# Altium PCB GL3520 4 Ports(final).PcbDoc
Units mm, origin at the board's own origin, x right, y up, seen from the top; angles counter-clockwise.
Board outline 60 x 60 mm, 2 copper layers (Top Layer, Bottom Layer), stack 1.569 mm thick; 95 components, 85 nets, 418 pads, 185 vias.
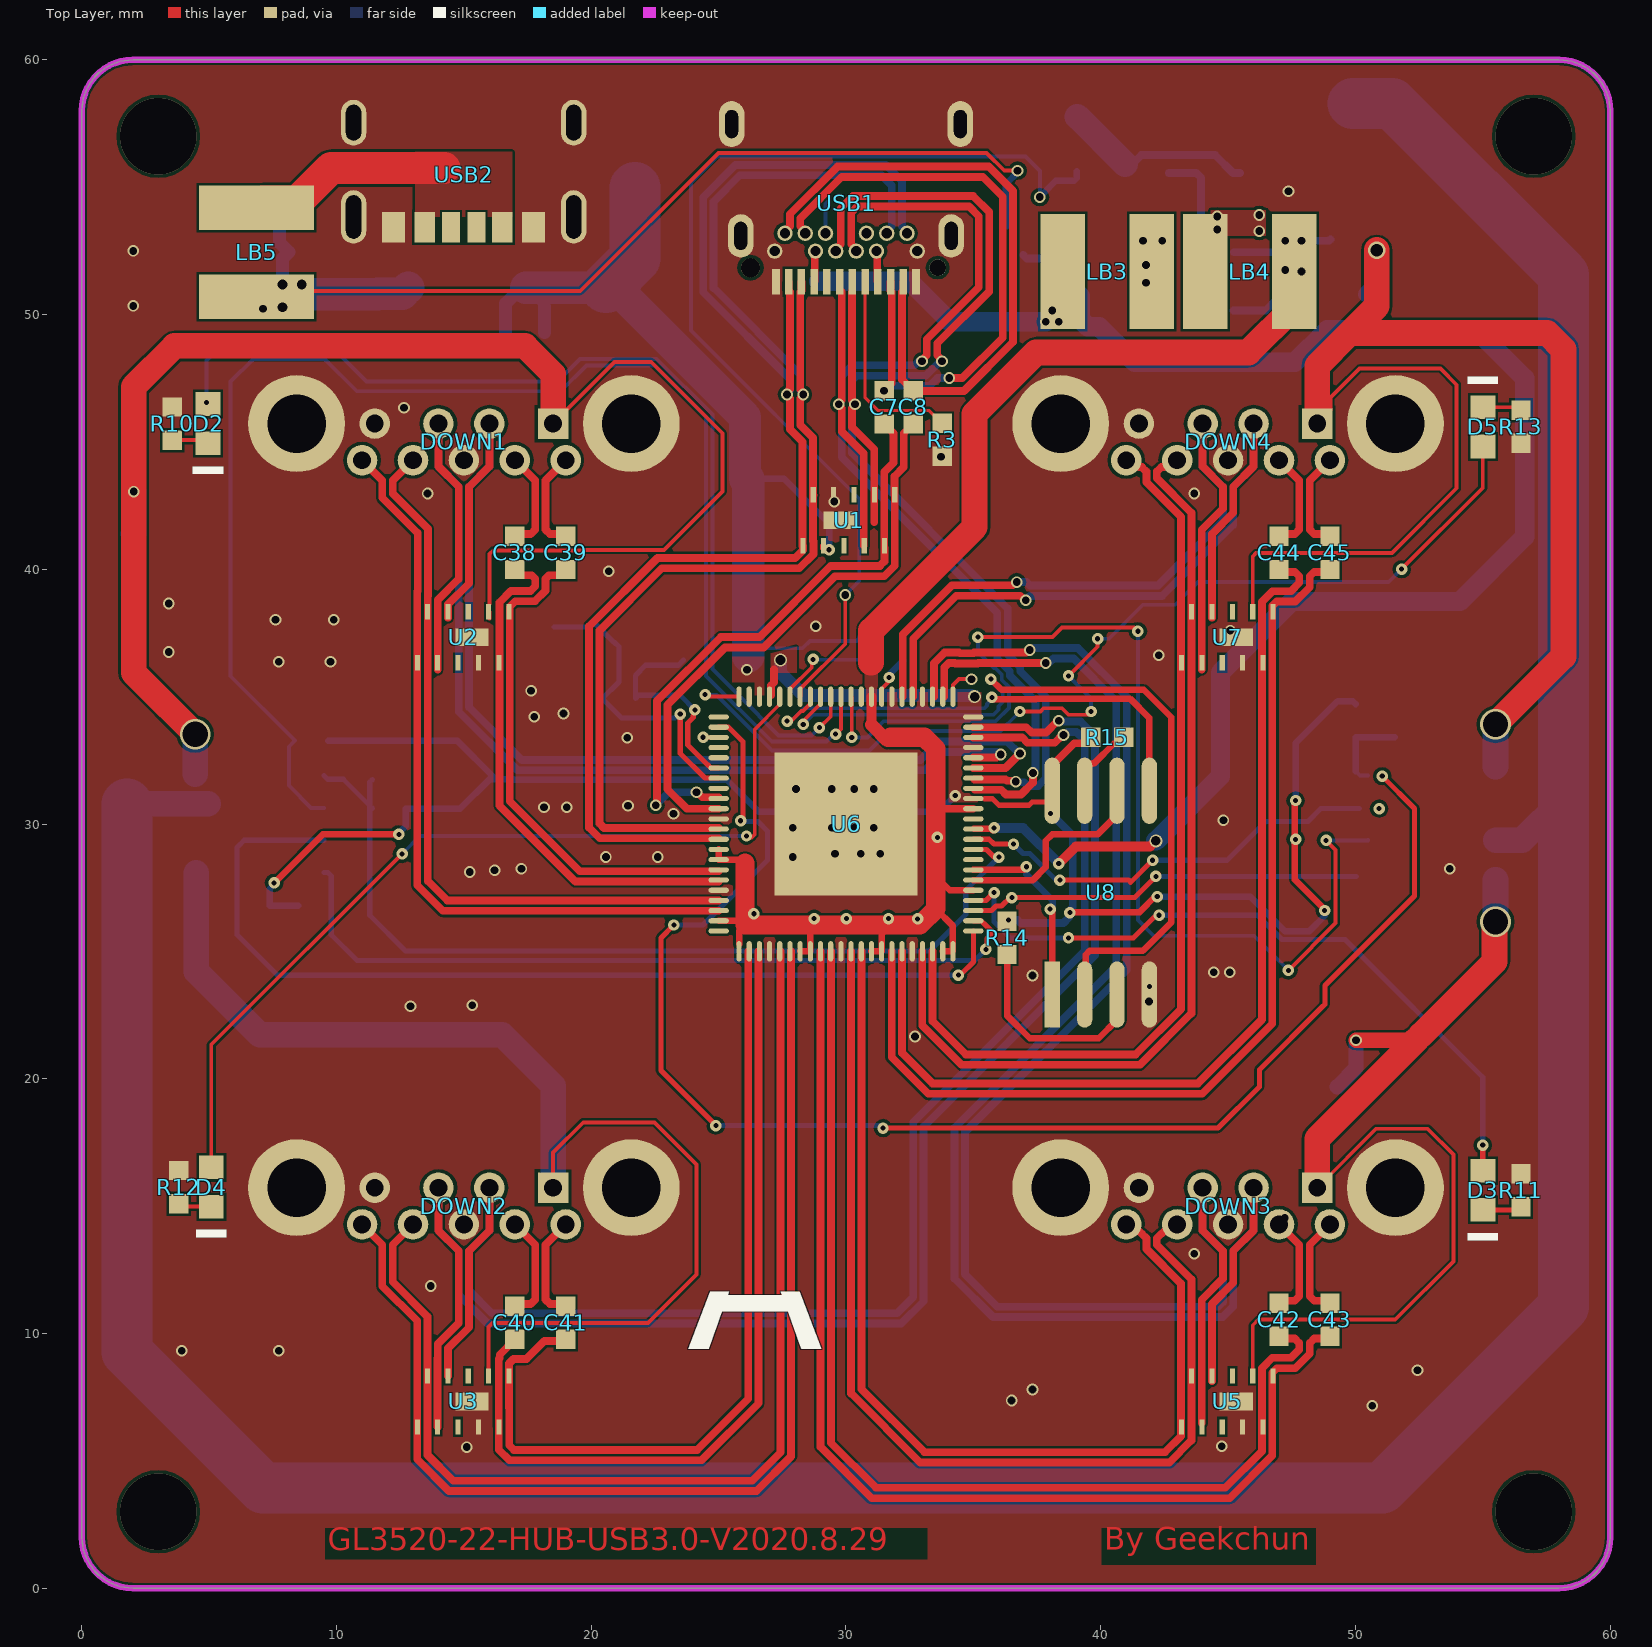
[diagram p0: Top Layer view]
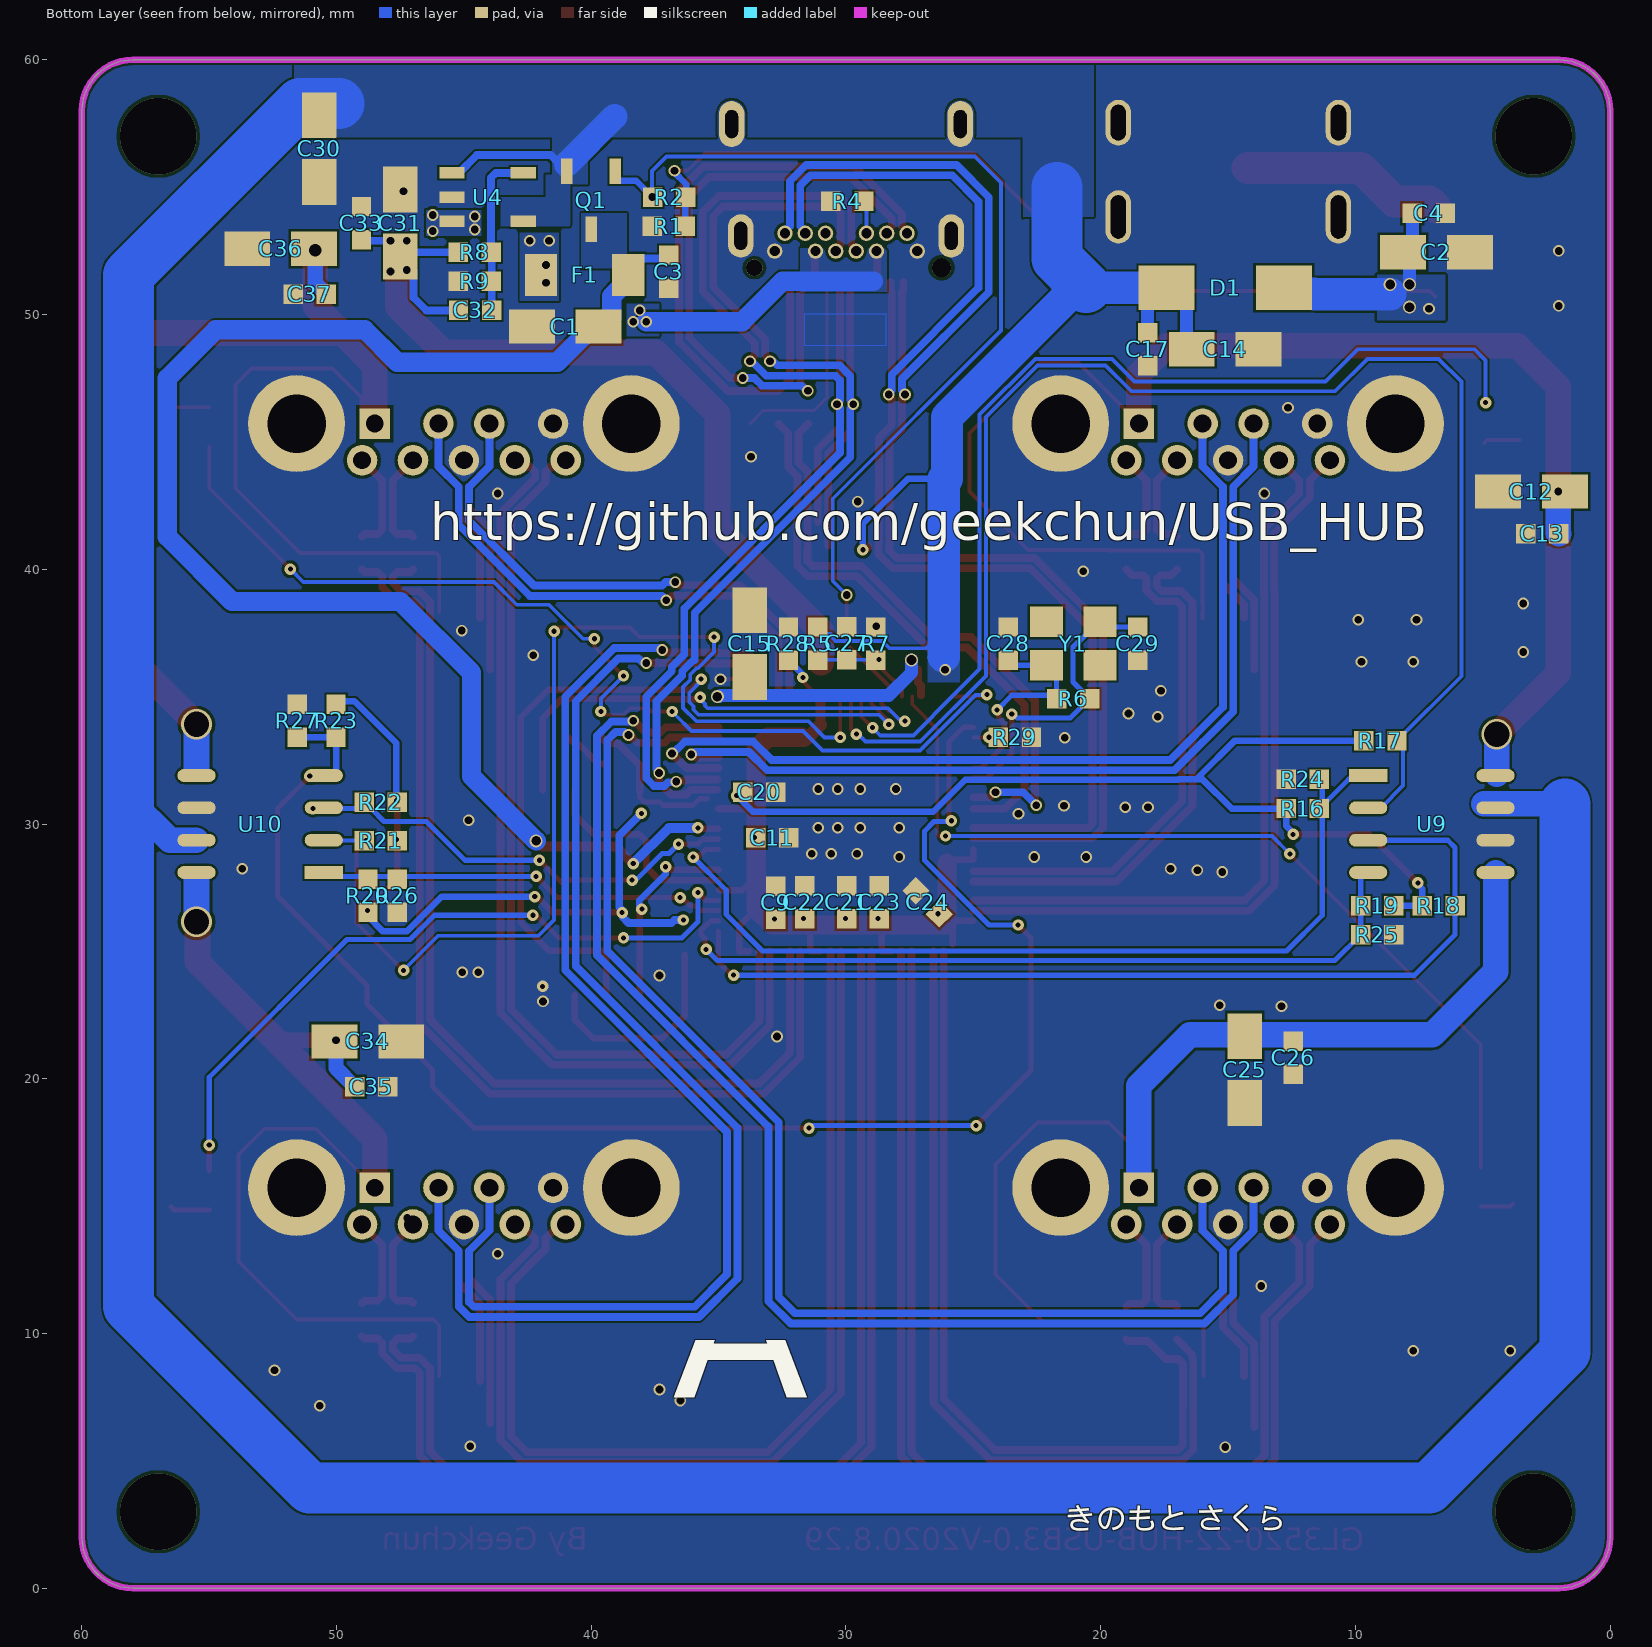
[diagram p1: Bottom Layer view, seen from below]
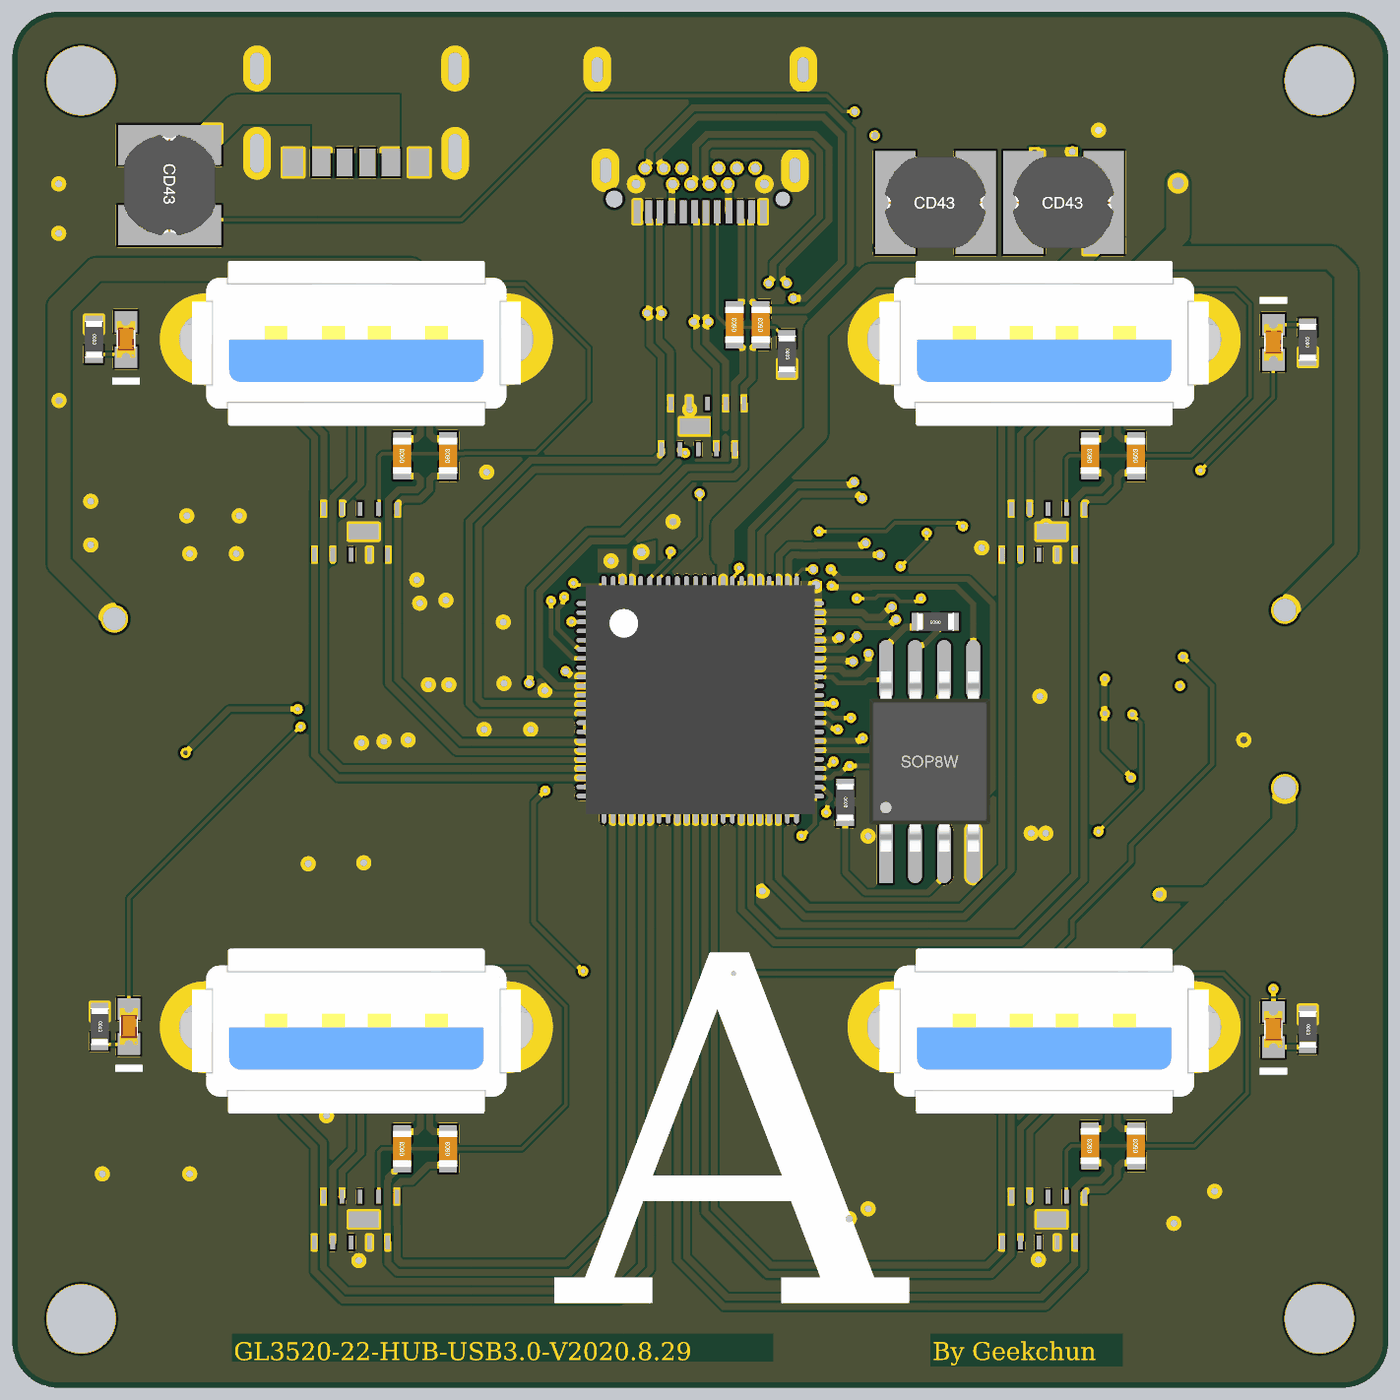
[diagram p2: 3D render of the assembled board from above, using the file's embedded part models]
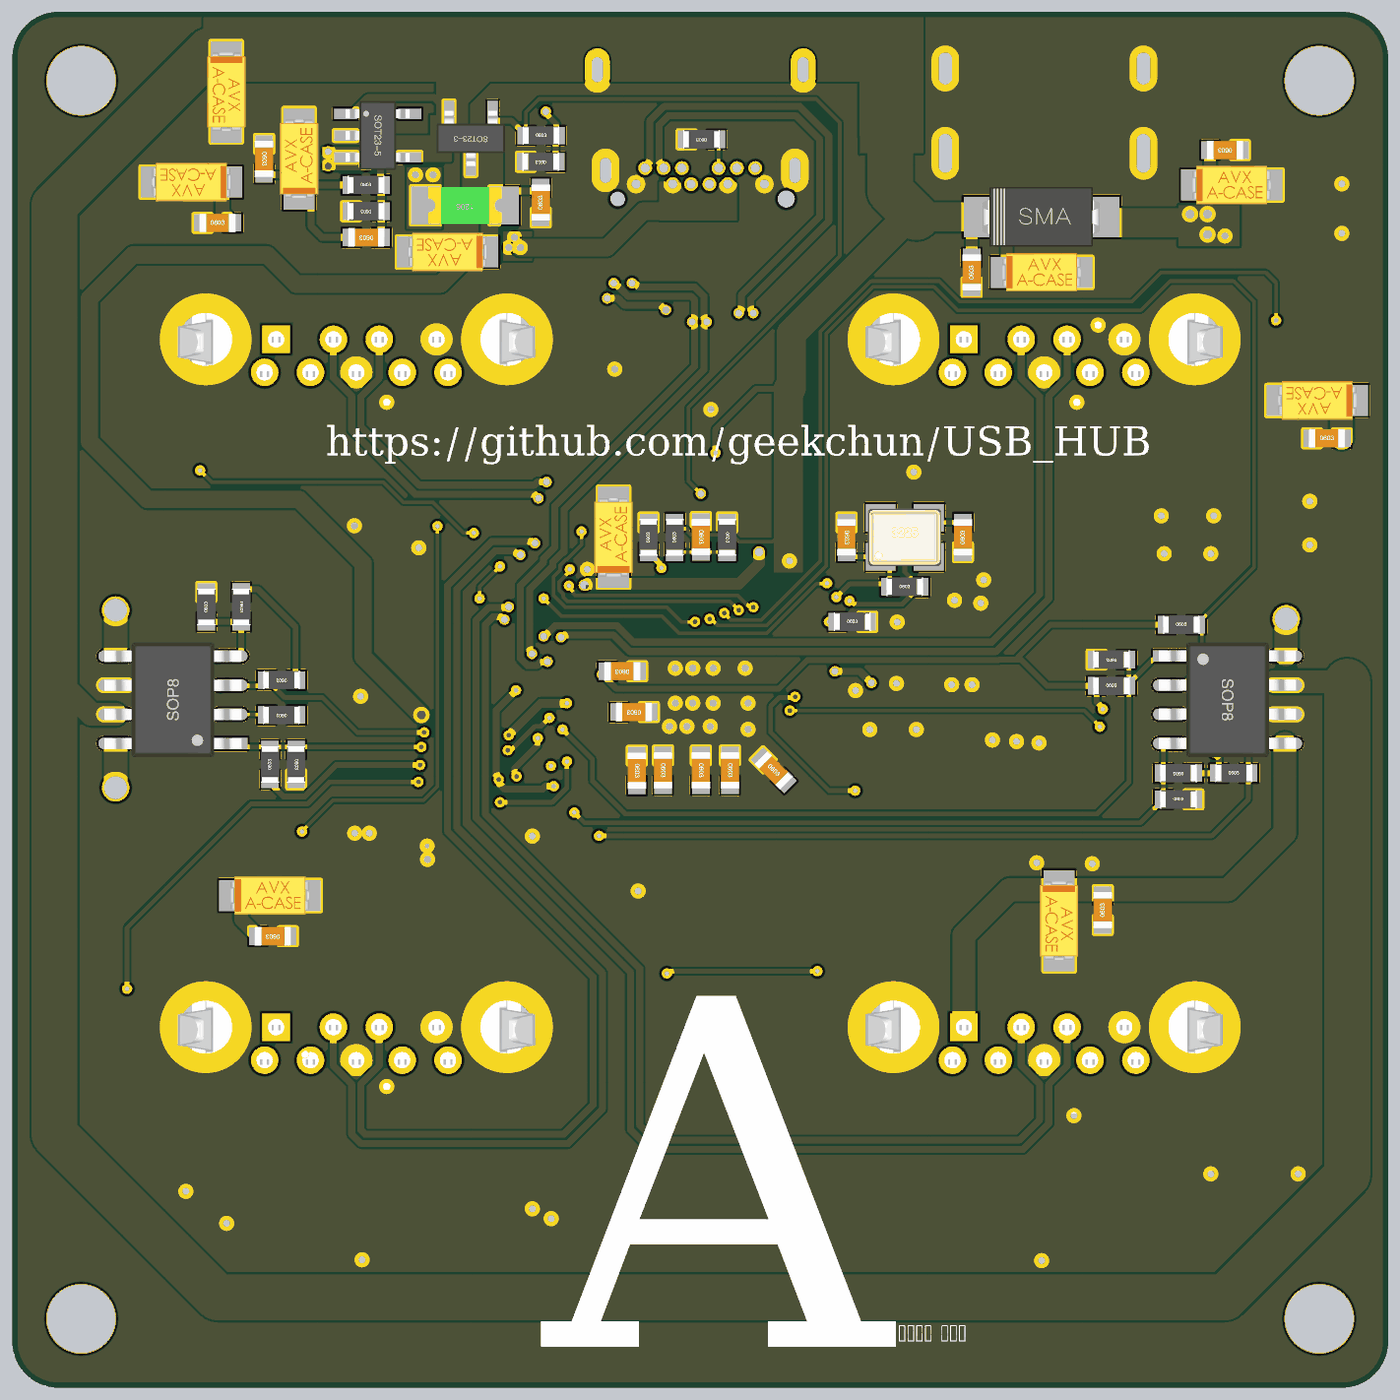
[diagram p3: 3D render of the assembled board from below, using the file's embedded part models]

## Layer stack, top to bottom
Top Solder: solder mask 0.0254, SM-001, Dk 4
Top Layer: signal copper 0.035
Dielectric 1: core 1.4986, Core-043, Dk 4.3
Bottom Layer: signal copper 0.035
Bottom Solder: solder mask 0.0254, SM-001, Dk 4

## Board outline
0,2 0,58 cw(c2,58) 2,60 58,60 cw(c58,58) 60,58 60,2 cw(c58,2) 58,0 2,0 cw(c2,2)

## Design rules (kind name [scope] priority, off if disabled: settings)
Clearance [All] p1: gap=0.089 ignorepadtopadclearanceinfootprint=TRUE except(0.127: Arc-THPad Arc-Via Track-THPad Track-Via SMDPad-THPad SMDPad-Via THPad-THPad THPad-Via THPad-Fill THPad-Poly THPad-Region THPad-Text THPad-Hole Via-Via Via-Fill Via-Poly Via-Region Via-Text Via-Hole)
DiffPairsRouting [All] p1: maxlimit=0.102 minlimit=0.102 mostfreqgap=0.102 toplayer_minwidth=0.152 toplayer_maxwidth=0.381 toplayer_prefwidth=0.305 bottomlayer_minwidth=0.152 bottomlayer_maxwidth=0.381 bottomlayer_prefwidth=0.305 maxuncoupledlength=12.7
PolygonConnect [All] p1: connectstyle=Direct reliefconductorwidth=0.254 reliefentries=4 polygonreliefangle="90 Angle" airgapwidth=0.254
RoutingVias [All] p1: holewidth=0.2 width=0.45 viastyle="Through Hole" minholewidth=0.2 minwidth=0.45 maxholewidth=0.711 maxwidth=1.27
SolderMaskExpansion [All] p1: expansion=0.102
Width [All] p1: maxlimit=3 minlimit=0.089 preferedwidth=0.152 minimp=50.000000 maximp=50.000000 favimp=50.000000
29 further rules are at their usual default settings.

## Classes and differential pairs
differential pair NewDifferentialPair20: +NetC45_2 -NetC44_2
differential pair NewDifferentialPair19: +NetC43_2 -NetC42_2
differential pair NewDifferentialPair18: +NetC41_2 -NetC40_2
differential pair NewDifferentialPair17: +NetC39_2 -NetC38_2
differential pair NewDifferentialPair16: +UP_RXP -UP_RXN
differential pair NewDifferentialPair15: +UP_TXP -UP_TXN
differential pair NewDifferentialPair14: +TX+ -TX-
differential pair NewDifferentialPair13: +UP_DP -UP_DN
differential pair NewDifferentialPair12: +DP4_TXP -DP4_TXN
differential pair NewDifferentialPair11: +DP4_RXP -DP4_RXN
differential pair NewDifferentialPair10: +DP4_DP -DP4_DN
differential pair NewDifferentialPair9: +DP3_TXP -DP3_TXN
differential pair NewDifferentialPair8: +DP3_RXP -DP3_RXN
differential pair NewDifferentialPair6: +DP2_TXP -DP2_TXN
differential pair NewDifferentialPair5: +DP2_RXP -DP2_RXN
differential pair NewDifferentialPair4: +DP2_DP -DP2_DN
differential pair NewDifferentialPair3: +DP1_TXP -DP1_TXN
differential pair NewDifferentialPair2: +DP1_RXP -DP1_RXN
differential pair NewDifferentialPair1: +DP1_DP -DP1_DN

## Components (designator, comment, footprint, x,y, rotation, side; value= is the part's Value field where it differs from the comment)
C1 "10uF" CASE-A_3216 41.021,49.53 r180 bottom
C2 "10uF" CASE-A_3216 6.818,52.451 r0 bottom
C3 "0.1uF" "C 0603_L" 36.957,51.689 r90 bottom
C4 "0.1uF" "C 0603_L" 7.112,53.975 r0 bottom
C7 "0.1uF" "C 0603_L" 31.496,46.355 r90 top
C8 "0.1uF" "C 0603_L" 32.639,46.355 r90 top
C9 "0.1uF" "C 0603_L" 32.766,26.909 r270 bottom
C11 "0.1uF" "C 0603_L" 32.893,29.464 r0 bottom
C12 "10uF" CASE-A_3216 3.088,43.053 r180 bottom
C13 "0.1uF" "C 0603_L" 2.667,41.402 r180 bottom
C14 "10uF" CASE-A_3216 15.113,48.641 r0 bottom
C15 "10uF" CASE-A_3216 33.782,37.084 r270 bottom
C17 "0.1uF" "C 0603_L" 18.161,48.641 r90 bottom
C20 "0.1uF" "C 0603_L" 33.401,31.242 r0 bottom
C21 "0.1uF" "C 0603_L" 29.972,26.924 r270 bottom
C22 "0.1uF" "C 0603_L" 31.623,26.924 r270 bottom
C23 "0.1uF" "C 0603_L" 28.702,26.924 r270 bottom
C24 "0.1uF" "C 0603_L" 26.797,26.924 r225 bottom
C25 "10uF" CASE-A_3216 14.351,20.36 r90 bottom
C26 "0.1uF" "C 0603_L" 12.446,20.828 r90 bottom
C27 "1uF" "C 0603_L" 29.972,37.099 r270 bottom
C28 "12pF" "C 0603_L" 23.622,37.084 r270 bottom
C29 "12pF" "C 0603_L" 18.542,37.084 r90 bottom
C30 "10uF" CASE-A_3216 50.673,56.515 r90 bottom
C31 "10uF" CASE-A_3216 47.498,53.594 r270 bottom
C32 "20pF" "C 0603_L" 44.562,50.165 r0 bottom
C33 "0.1uF" "C 0603_L" 49.022,53.594 r270 bottom
C34 "10uF" CASE-A_3216 48.768,21.463 r0 bottom
C35 "0.1uF" "C 0603_L" 48.641,19.685 r0 bottom
C36 "10uF" CASE-A_3216 52.197,52.578 r180 bottom
C37 "0.1uF" "C 0603_L" 51.054,50.8 r180 bottom
C38 "0.1uF" "C 0603_L" 17,40.64 r90 top
C39 "0.1uF" "C 0603_L" 19,40.64 r90 top
C40 "0.1uF" "C 0603_L" 17,10.414 r90 top
C41 "0.1uF" "C 0603_L" 19,10.414 r90 top
C42 "0.1uF" "C 0603_L" 47,10.541 r90 top
C43 "0.1uF" "C 0603_L" 49,10.541 r90 top
C44 "0.1uF" "C 0603_L" 47,40.64 r90 top
C45 "0.1uF" "C 0603_L" 49,40.64 r90 top
D1 "1N5822" SMA 15.113,51.054 r0 bottom
D2 "蓝灯 0603" 0603_LED_S1 4.953,45.72 r90 top
D3 "蓝灯 0603" 0603_LED_S1 55,15.621 r90 top
D4 "蓝灯 0603" 0603_LED_S1 5.08,15.748 r90 top
D5 "蓝灯 0603" 0603_LED_S1 55,45.593 r270 top
DOWN1 "USB3-A Device" "USB3.0-1 - duplicate" 15,45 r180 top
DOWN2 "USB3-A Device" "USB3.0-1 - duplicate" 15,15 r180 top
DOWN3 "USB3-A Device" "USB3.0-1 - duplicate" 45,15 r180 top
DOWN4 "USB3-A Device" "USB3.0-1 - duplicate" 45,45 r180 top
F1 "Fuse" "FU 1206" 40.259,51.562 r0 bottom
LB3 "10uH" CD43 40.259,51.689 r0 top
LB4 "10uH" CD43 45.847,51.689 r0 top
LB5 "10uH" CD43 6.858,52.451 r270 top
Q1 "AO3401A" SOT23-3L 40.005,54.483 r0 bottom
R1 "10K" "R 0603_L" 36.957,53.467 r0 bottom
R2 "10K" "R 0603_L" 36.942,54.61 r180 bottom
R3 "10K" "R 0603_L" 33.782,45.085 r270 top
R4 "10K" "R 0603_L" 29.945,54.444 r0 bottom
R5 "10K" "R 0603_L" 31.115,37.084 r90 bottom
R6 "1M" "R 0603_L" 21.082,34.925 r180 bottom
R7 "47K" "R 0603_L" 28.829,37.084 r270 bottom
R8 "100K" "R 0603_L" 44.577,52.451 r180 bottom
R9 "100K" "R 0603_L" 44.577,51.308 r0 bottom
R10 "2K" "R 0603_L" 3.556,45.72 r270 top
R11 "2K" "R 0603_L" 56.5,15.621 r270 top
R12 "2K" "R 0603_L" 3.81,15.748 r270 top
R13 "2K" "R 0603_L" 56.5,45.593 r90 top
R14 "10K" "R 0603_L" 36.322,25.527 r270 top
R15 "10K" "R 0603_L" 40.259,33.401 r180 top
R16 "100K" "R 0603_L" 12.065,30.607 r180 bottom
R17 "10K" "R 0603_L" 9.017,33.274 r180 bottom
R18 "10K" "R 0603_L" 6.731,26.797 r180 bottom
R19 "100K" "R 0603_L" 9.144,26.797 r0 bottom
R20 "100K" "R 0603_L" 48.768,27.178 r90 bottom
R21 "10K" "R 0603_L" 48.26,29.337 r0 bottom
R22 "10K" "R 0603_L" 48.26,30.861 r0 bottom
R23 "100K" "R 0603_L" 50.021,34.049 r270 bottom
R24 "100K" "R 0603_L" 12.065,31.75 r0 bottom
R25 "100K" "R 0603_L" 9.144,25.654 r180 bottom
R26 "100K" "R 0603_L" 47.625,27.178 r270 bottom
R27 "100K" "R 0603_L" 51.546,34.049 r90 bottom
R28 "100K" "R 0603_L" 32.258,37.084 r90 bottom
R29 "680R" "R 0603_L" 23.368,33.401 r180 bottom
U1 "AZ1065-06F" DFN4120P10E 32.085,41.256 r180 top
U2 "AZ1065-06F" DFN4120P10E 13,38 r0 top
U3 "AZ1065-06F" DFN4120P10E 13,8 r0 top
U4 "AUR9713" SOT23-5L 44.069,54.61 r270 bottom
U5 "AZ1065-06F" DFN4120P10E 43,8 r0 top
U6 "GL3520_QFN88_V094-1_22" QFN88 30,30 r0 top
U7 "AZ1065-06F" DFN4120P10E 43,38 r0 top
U8 "PM25LD512" SOP8W_M 40.005,27.305 r90 top
U9 "AIC1519N-0" SOP8_L 7,30 r180 bottom
U10 "AIC1519N-0" SOP8_L 53,30 r0 bottom
USB1 "Type-C" USB-C-SMD_U262-241N-4BV60 30,54.38 r180 top
USB2 "TYPE-C-6P" TYPE-C-SMD_TYPE-C-31-M-16 14.988,55.484 r180 top
Y1 "25MHZ" "OSC 3225-4P" 21.082,37.084 r180 bottom

## Footprints (in the part's own frame and the unit in brackets; to place one, negate y for a bottom-side part, rotate by r counter-clockwise, add the part's x,y. Pads: shape width x height; smd on the part's side, far side on the other; paste and mask are expansions set on the pad)
0603_LED_S1 [mm]
  rect 0.93x0.98 smd: A(0.77,0) K(-0.77,0)
  silkscreen extent -1.98,-0.6 -1.67,0.6, body extent -0.8,-0.4 0.8,0.4, height 0.6
"C 0603_L" [mil] "无极性贴片电容"
  rect 30x30 smd: 1(-25.59,0) 2(25.59,0)
  body extent -31,-16 31,16, height 32
CASE-A_3216 [mm]
  rect 1.8x1.35 smd: 1(1.31,0) 2(-1.31,0)
  body extent -1.7,-0.84 1.7,0.84, height 1.71
CD43 [mm] "4.5*4*3.2mm（长宽高）"
  rect 1.75x4.5 smd: 1(-1.75,0) 2(1.75,0)
  body extent -2.21,-2 2.21,2, height 3.3
DFN4120P10E [mm]
  rect 0.2x0.6 smd: 1(3.77,0.33) 2(2.97,0.33) 3(2.17,0.33) 4(1.37,0.33) 5(0.57,0.33) 6(0.17,-1.67) 7(0.97,-1.67) 8(1.77,-1.67) 9(2.57,-1.67) 10(3.37,-1.67)
  rect 1.3x0.7 smd: 11(2.32,-0.67)
  body extent -0.07,-1.67 4.03,0.32, height 0.25
"FU 1206" [mil] "贴片保险丝"
  rect 50x65 smd: 1(-67.5,0) 2(67.5,0)
  body extent -63,-32 63,32, height 34
"OSC 3225-4P" [mm] "3.2*2.5*0.7mm(长宽高)"
  rect 1.3x1.2 smd: 1(-1.05,-0.85) 2(1.05,-0.85) 3(1.05,0.85) 4(-1.05,0.85)
  body extent -1.6,-1.25 1.6,1.25, height 0.7
QFN88 [mm] "PQFN, 88-Leads, Body 10.00x10.00mm, Pitch 0.40mm, Thermal Pad 5.60x5.60mm, IPC Medium Density"
  oval 0.8x0.2 smd: 1(-5,4.2) 2(-5,3.8) 3(-5,3.4) 4(-5,3) 5(-5,2.6) 6(-5,2.2) 7(-5,1.8) 8(-5,1.4) 9(-5,1) 10(-5,0.6) 11(-5,0.2) 12(-5,-0.2) 13(-5,-0.6) 14(-5,-1) 15(-5,-1.4) 16(-5,-1.8) 17(-5,-2.2) 18(-5,-2.6) 19(-5,-3) 20(-5,-3.4) 21(-5,-3.8) 22(-5,-4.2) 45(5,-4.2) 46(5,-3.8) 47(5,-3.4) 48(5,-3) 49(5,-2.6) 50(5,-2.2) 51(5,-1.8) 52(5,-1.4) 53(5,-1) 54(5,-0.6) 55(5,-0.2) 56(5,0.2) 57(5,0.6) 58(5,1) 59(5,1.4) 60(5,1.8) 61(5,2.2) 62(5,2.6) 63(5,3) 64(5,3.4) 65(5,3.8) 66(5,4.2)
  oval 0.2x0.8 smd: 23(-4.2,-5) 24(-3.8,-5) 25(-3.4,-5) 26(-3,-5) 27(-2.6,-5) 28(-2.2,-5) 29(-1.8,-5) 30(-1.4,-5) 31(-1,-5) 32(-0.6,-5) 33(-0.2,-5) 34(0.2,-5) 35(0.6,-5) 36(1,-5) 37(1.4,-5) 38(1.8,-5) 39(2.2,-5) 40(2.6,-5) 41(3,-5) 42(3.4,-5) 43(3.8,-5) 44(4.2,-5) 67(4.2,5) 68(3.8,5) 69(3.4,5) 70(3,5) 71(2.6,5) 72(2.2,5) 73(1.8,5) 74(1.4,5) 75(1,5) 76(0.6,5) 77(0.2,5) 78(-0.2,5) 79(-0.6,5) 80(-1,5) 81(-1.4,5) 82(-1.8,5) 83(-2.2,5) 84(-2.6,5) 85(-3,5) 86(-3.4,5) 87(-3.8,5) 88(-4.2,5)
  rect 5.6x5.6 smd: G1(0,0)
  body extent -5,-5 5,5, height 1
"R 0603_L" [mil] "1/10W贴片电阻"
  rect 30x30 smd: 1(-25.59,0) 2(25.59,0)
  body extent -31,-16 31,16, height 16
SMA [mm] "4.5x2.6*2.2mm（长宽高，不包括引脚）"
  rect 2.2x1.75 smd: 1(-2.3,0) 2(2.3,0)
  body extent -2.52,-1.3 2.57,1.3, height 2.15
SOP8_L [mm] "5*6*1.8mm（长宽高）"
  rect 1.5x0.5 smd: 1(-2.5,1.905)
  oval 1.5x0.5 smd: 2(-2.5,0.635) 3(-2.5,-0.635) 4(-2.5,-1.905) 5(2.5,-1.905) 6(2.5,-0.635) 7(2.5,0.635) 8(2.5,1.905)
  body extent -3,-2.5 3,2.5, height 1.9
SOP8W_M [mm] "5.3*8.3*1.8mm（长宽高）"
  rect 2.6x0.6 smd: 1(-4,1.905)
  oval 2.6x0.6 smd: 2(-4,0.635) 3(-4,-0.635) 4(-4,-1.905) 5(4,-1.905) 6(4,-0.635) 7(4,0.635) 8(4,1.905)
  body extent -3.94,-2.64 3.94,2.64, height 1.9
SOT23-3L [mm] "3x1.3x1mm(长宽高)"
  rect 0.45x1 smd: 1(-0.95,-1.143) 2(0.95,-1.143) 3(0,1.125)
  body extent -1.5,-1.2 1.5,1.2, height 1.05
SOT23-5L [mm] "3x1.6x1.1mm(长宽高)"
  rect 0.45x1 smd: 1(-0.95,-1.4) 2(0,-1.4) 3(0.95,-1.4) 4(0.95,1.4) 5(-0.95,1.4)
  body extent -1.5,-1.4 1.5,1.4, height 1.15
TYPE-C-SMD_TYPE-C-31-M-16 [mm]
  oval 1x2.099 hole 0.6 slot 1.7 at 90 deg: 1(-4.32,1.65) 2(4.32,1.65)
  oval 1x1.799 hole 0.6 slot 1.4 at 90 deg: 3(-4.32,-2.05) 4(4.32,-2.05)
  rect 0.7x1.2 smd: A5(-0.5,2.05) B5(0.5,2.05)
  rect 0.8x1.2 smd: A9(1.52,2.05) B9(-1.52,2.05)
  rect 0.9x1.2 smd: A12(2.75,2.05) B12(-2.75,2.05)
"USB3.0-1 - duplicate" [mm] "Connector; USB1.1, Type A, Thru-Hole; 4 Position; Vertical"
  rect 1.2x1.2 hole 0.7: 1(-3.5,-0.72)
  round 1.2 hole 0.7: 2(-1,-0.72) 3(1,-0.72) 4(3.5,-0.72) 5(4,0.72) 6(2,0.72) 7(0,0.72) 8(-2,0.72) 9(-4,0.72)
  round 3.8 hole 2.3: G1(-6.57,-0.72) G2(6.57,-0.72)
  body extent -7.8,-4.15 7.8,3.05, height 15
USB-C-SMD_U262-241N-4BV60 [mm]
  oval 1x1.699 hole 0.5 slot 1.1 at 90 deg: 1(-4.13,1.29) 4(4.13,1.29)
  oval 1x1.799 hole 0.5 slot 1.1 at 90 deg: 2(-4.49,-3.1) 3(4.49,-3.1)
  rect 0.3x1 smd: A1(-2.75,3.1) A2(-2.25,3.1) A3(-1.75,3.1) A4(-1.25,3.1) A5(-0.75,3.1) A6(-0.25,3.1) A7(0.25,3.1) A8(0.75,3.1) A9(1.25,3.1) A10(1.75,3.1) A11(2.25,3.1) A12(2.75,3.1)
  round 0.6 hole 0.4: B1(2.8,1.89) B2(2.4,1.19) B3(1.6,1.19) B4(1.2,1.89) B5(0.8,1.19) B6(0.4,1.89) B7(-0.4,1.89) B8(-0.8,1.19) B9(-1.2,1.89) B10(-1.6,1.19) B11(-2.4,1.19) B12(-2.8,1.89)
  round 0.65 hole 0.65 unplated: ""(-3.6,2.54)
  round 0.75 hole 0.75 unplated: ""(3.75,2.54)

## Part data
C1 C2 C14 C15: library part "3216 10uF (106) 10% 16V", "钽电容1206", Package=3216, SuppliersPartNumber=C7171, ComponentLink1Description=供应, ComponentLink1URL=http://www.szlcsc.com/product/details_7643.html, Supplier=LC
C3 C4 C7 C8 C9 C11 C13 C17 C20 C21 C22 C23 C24 C26 C27 C28 C29 C32 C33 C35 C37 C38 C39 C40 C41 C42 C43 C44 C45: library part "0603 2.2uF (225) 10% 16V", "贴片电容", Package=0603, SuppliersPartNumber=C23630, ComponentLink1Description=供应, ComponentLink1URL=http://www.szlcsc.com/product/details_24366.html, Supplier=LC
C12 C25 C30 C31 C34 C36: library part "3216 10uF (106) 10% 16V", "钽电容", Package=3216, SuppliersPartNumber=C7171, ComponentLink1Description=供应, ComponentLink1URL=http://www.szlcsc.com/product/details_7643.html, Supplier=LC
D1: library part "Diode 1N5400", "3 Amp General Purpose Rectifier", ComponentLink1Description="Manufacturer Link", ComponentLink1URL=http://www.fairchildsemi.com/, ComponentLink2Description=Datasheet, ComponentLink2URL=http://www.fairchildsemi.com/ds/1N%2F1N5400.pdf, DatasheetVersion=1998, LatestRevisionDate=17-Jul-2002, LatestRevisionNote="Re-released for DXP Platform.", PackageDescription="Diode, Axial; Body 9.5 x 5.6 mm (LxDia. max), Lead Dia. 1.32 mm (max)", PackageReference=DO-201AD, PackageVersion=Aug-1999, Published=8-Jun-2000, Publisher="Altium Limited"
D2 D3 D4 D5: library part "0603 蓝灯", "发光二极管", Package=0603, SuppliersPartNumber=C72041, ComponentLink1Description=供应, ComponentLink1URL=http://www.szlcsc.com/product/details_73150.html, Supplier=LC
DOWN1 DOWN2 DOWN3 DOWN4: library part USB3-A_5, PCB Footprint=CND-USB3A-A
F1: Manufacturer="TE Connectivity", PartNumber=NANOSMDC020F-2, Supplier Part Number 1=NANOSMDC020F-2CT-ND, ComponentLink1Description="Datasheet URL", ComponentLink1URL=http://www.te.com/commerce/DocumentDelivery/DDEController?Action=srchrtrv&DocNm=SCD25536&DocType=Customer+Drawing&DocLang=English, CompType=Fuse, LatestRevisionDate=2015-11-23, MountType=SMT, PackageReference=1206, Published=2009-03-05, Publisher="Texas Instruments", ROHS=Y, Rtyp_Ohm=1.875, Supplier 1=Digi-Key, Supplier 2=Mouser, Supplier 3=Farnell, Supplier Part Number 2=650-NANOSMDC020F-2, Supplier Part Number 3=1345939, SymbolCreator=a0412235, SymbolVersion=2013-04-02, VDC_V=24
LB3 LB4 LB5: library part L-0603, PCB Footprint=LBS-0603
Q1: library part CMP-2000-05778-1, "P-Channel MOSFET, 30 V, 4 A, -55 to 150 degC, 3-Pin SOT-23-3L, RoHS, Tape and Reel", Continuous Drain Current=4A, Drain-Source On-Volt=30V, Frequency (Max)=NotRequiredMHz, Gate-Source Voltage (Max)=?12V, Manufacturer="Alpha and Omega", Operating Temp Range=-55Cto150C, Operating Temperature Classification=Military, Output Power (Max)=NotRequiredW, Package Description="3-Pin Small Outline Transistor, Body 2.95 x 1.6 mm, Pitch 0.95 mm", Package Reference=SOT-23-3L, Package Type=SOT-23, Power Dissipation=1.4W, Power Gain=NotRequireddB, Channel Mode=Enhancement, Datasheet URL=http://www.aosmd.com/res/data_sheets/AO3401A.pdf, Datasheet Version="Rev. 3, 03/2011", Drain Current (Max)=4A, Drain Efficiency=NotRequired%, Drain-Source On-Res=0.044ohm, Manufacturer URL=http://www.aosmd.com/, Mounting=SurfaceMount, Mounting Technology=SurfaceMount, Noise Figure=NotRequireddB, Number of  Elements=1, Package URL=http://www.aosmd.com/res/packaging_information/SOT-23-3L.pdf, Pin Count=3, Polarity=P, Rad Hardened=No, Type=PowerMOSFET
R1 R2 R3 R4 R5 R6 R7 R8 R9 R10 R11 R12 R13 R14 R15 R16 R17 R18 R19 R20 R21 R22 R23 R24 R25 R26 R27 R28 R29: library part RES
U1 U2 U3 U5 U7: "晶炎AZ1065-06F.R7G DFN4120 丝印119 ESD/TVS静电保护二极管"
U4: library part AUR9705_3, PCB Footprint=I-TSOT23-5P-2_9x1_6x0_95A
U8: library part CAT25C128/256, PCB Footprint=I-SOP8-1_27A
U9 U10: library part AIC1526-SOP, PCB Footprint=I-SOP8-1_27A
USB2: library part TYPE-C-31-M-17, "Connector", Manufacturer_Name="Korean Hroparts Elec", Arrow Part Number=TYPE-C-31-M-17, Datasheet Link=https://datasheet.lcsc.com/szlcsc/1903211732_Korean-Hroparts-Elec-TYPE-C-31-M-17_C283540.pdf, HEIGHT=3.26mm, Manufacturer_Part_Number=TYPE-C-31-M-17
Y1: library part "SMD-3225_4P  25MHZ 12PF 10PPM", "贴片晶振", Package=SMD-3225_4P, SuppliersPartNumber=C9006, ComponentLink1Description=供应, ComponentLink1URL=http://www.szlcsc.com/product/details_9526.html, Supplier=LC

## Via types
v1: diameter 0.457, hole 0.305, Top Layer to Bottom Layer, 105 vias
v2: diameter 0.45, hole 0.2, Top Layer to Bottom Layer, 65 vias
v3: diameter 0.508, hole 0.381, Top Layer to Bottom Layer, 6 vias
v4: diameter 3, hole 3, Top Layer to Bottom Layer, 4 vias
v5: diameter 1.2, hole 1, Top Layer to Bottom Layer, 3 vias
v6: diameter 0.7, hole 0.5, Top Layer to Bottom Layer, 1 vias
v7: diameter 0.45, hole 0.3, Top Layer to Bottom Layer, 1 vias
